# Altium PCB SunS_fixture_EGSE.PcbDoc (part 1 of 2)
Units mm, origin at the board's own origin, x right, y up, seen from the top; angles counter-clockwise.
Board outline 100.04 x 100.03 mm, 2 copper layers (Component Side, Bottom Layer), stack 1.57 mm thick; 120 components, 154 nets, 571 pads, 310 vias.
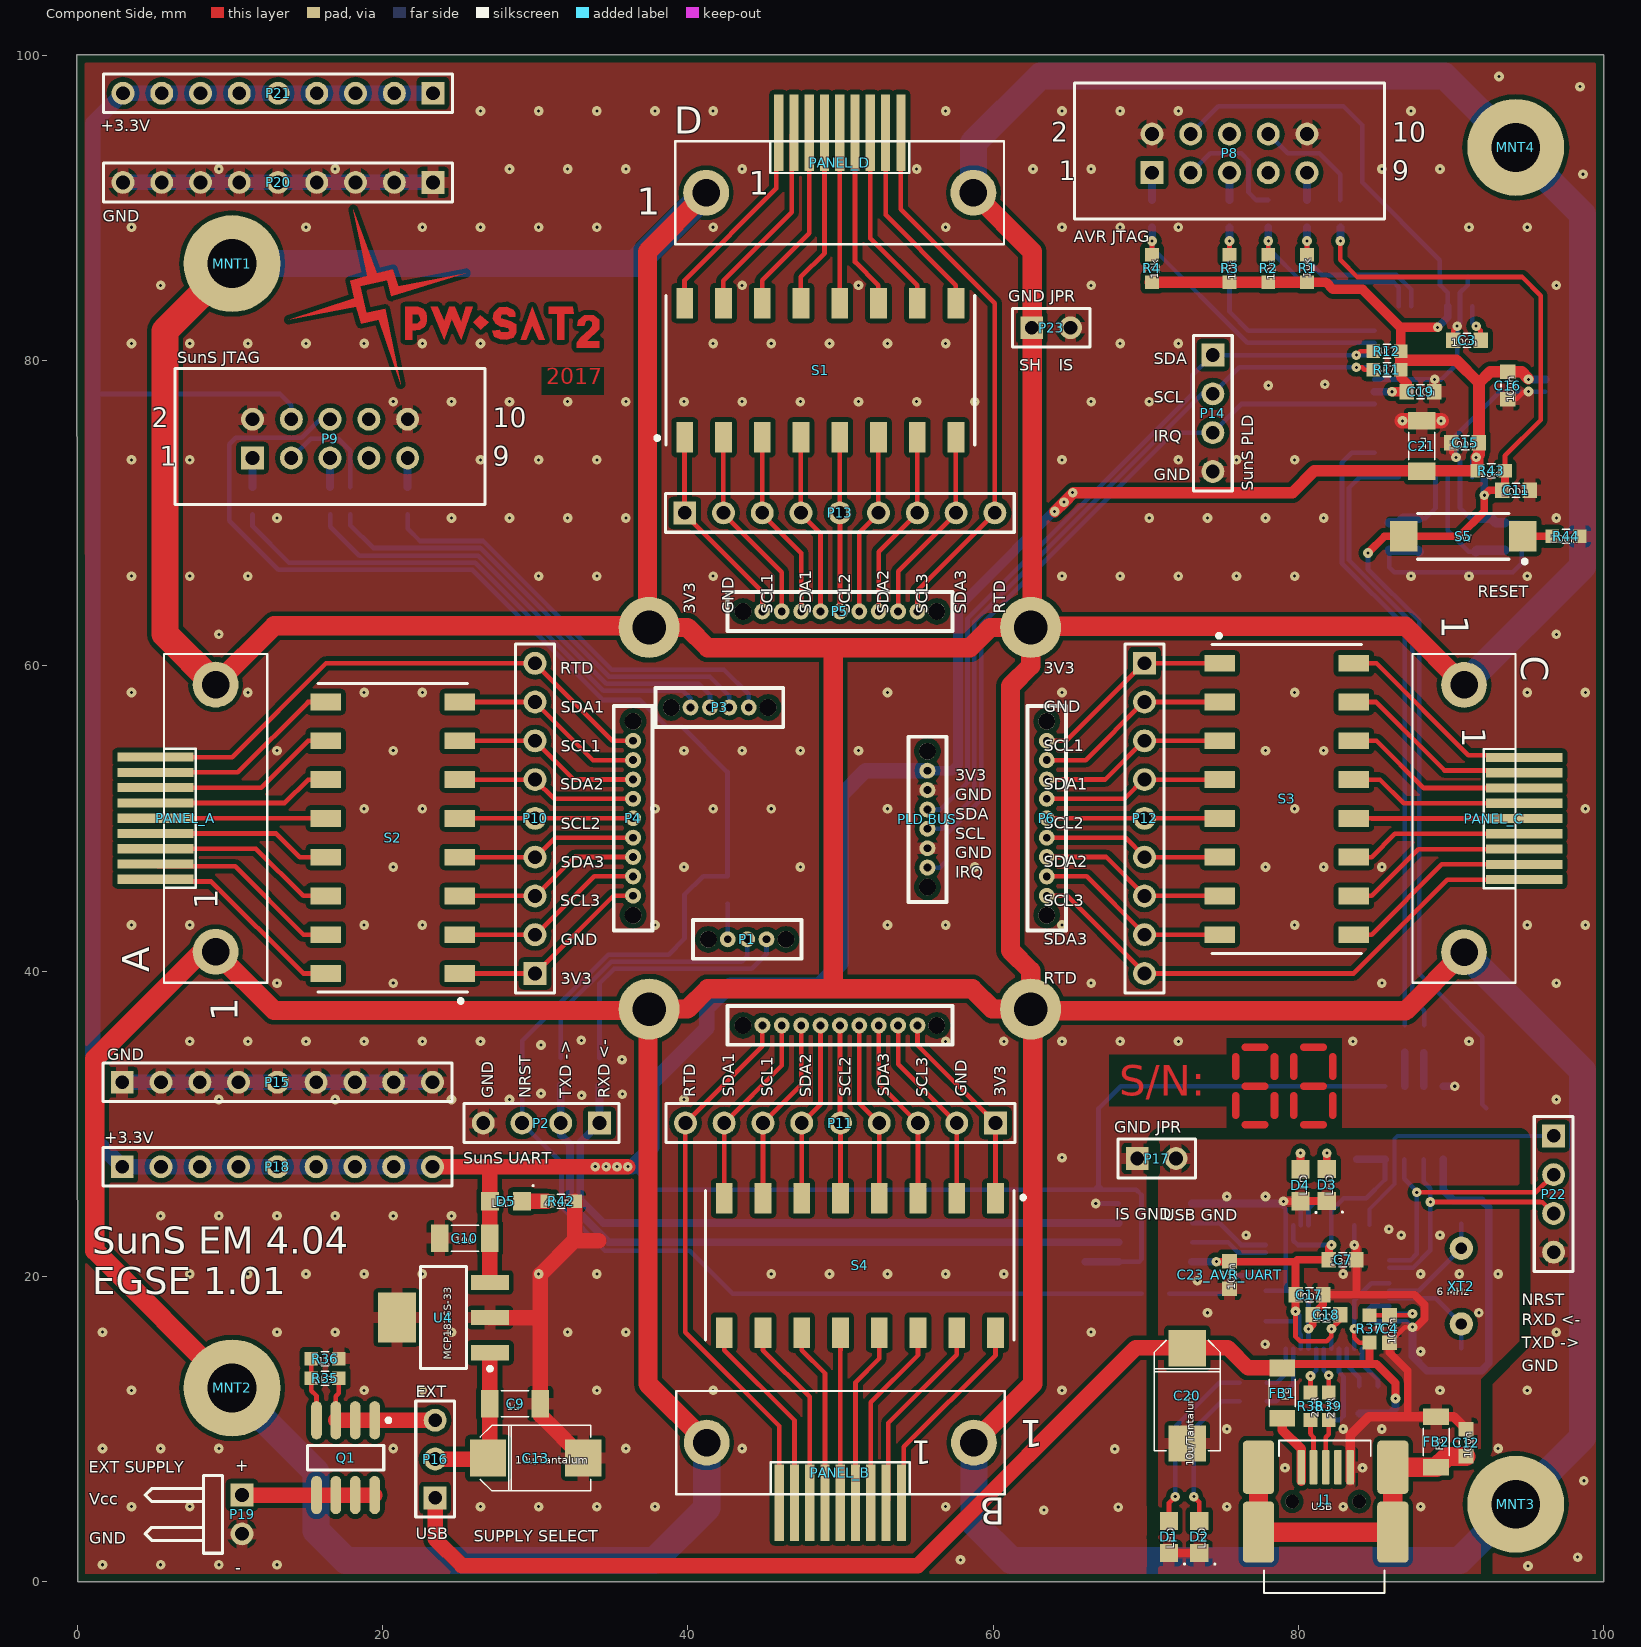
[diagram p0: Component Side view]
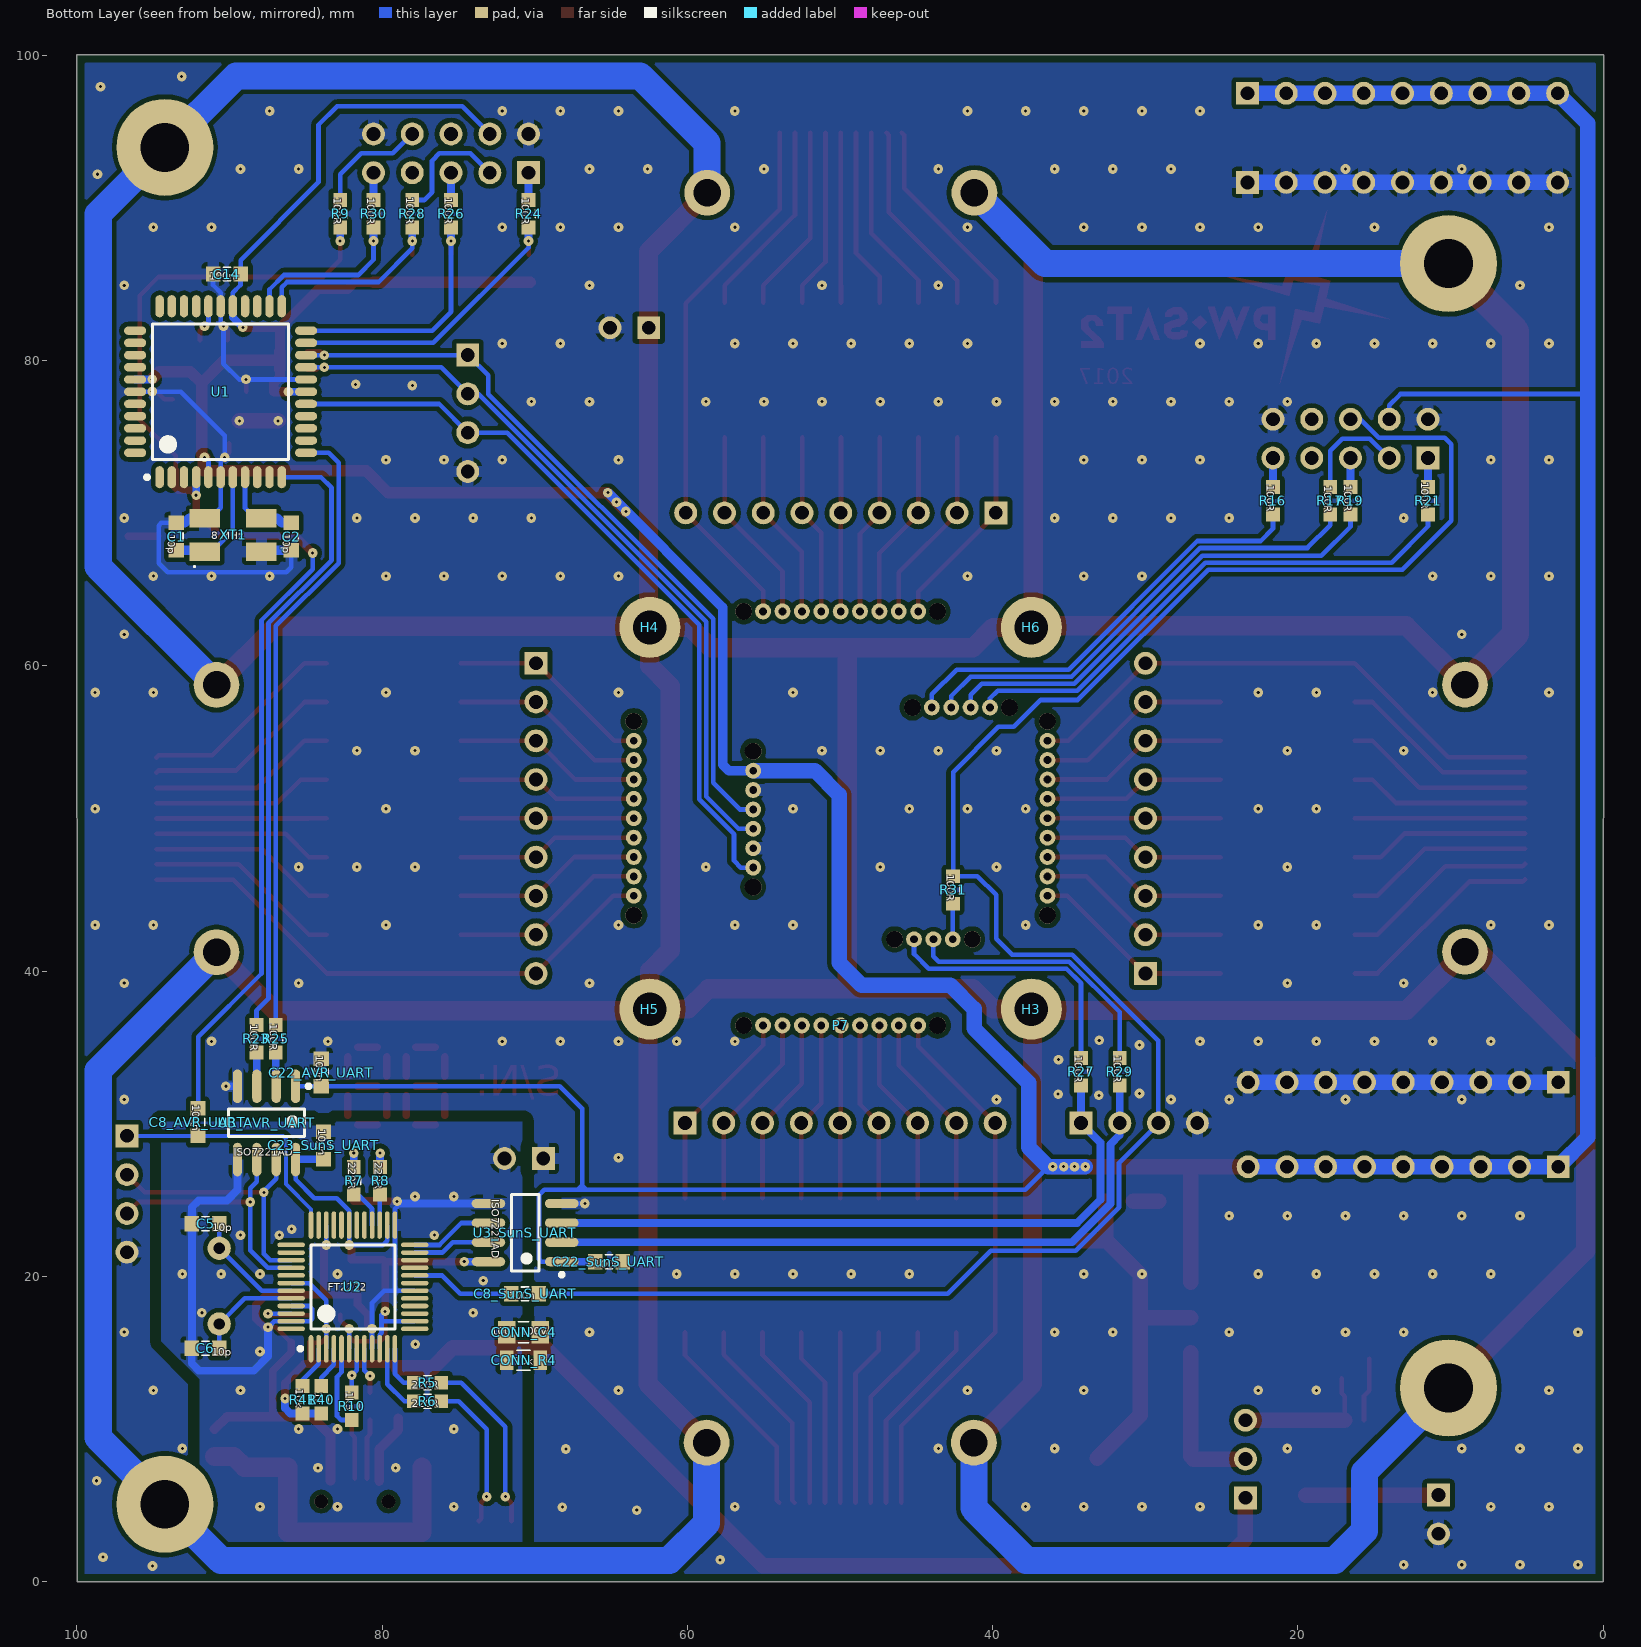
[diagram p1: Bottom Layer view, seen from below]

## Layer stack, top to bottom
Top Solder: solder mask 0.0102, Solder Resist, Dk 3.5
Component Side: signal copper 0.0356
Dielectric 1: core 1.4986, FR-4, Dk 4.2
Bottom Layer: signal copper 0.0356
Solder Side: solder mask 0.0102, Solder Resist, Dk 3.5

## Board outline
-0.032,100.025 100.007,100.025 99.995,0 0.013,0

## Design rules (kind name [scope] priority, off if disabled: settings)
BoardOutlineClearance [All] p1: gap=0.5 ignorepadtopadclearanceinfootprint=FALSE
Clearance PolygonGNDClearance [InNet('GND-IS') vs InNet('GND-USB')] p1: gap=0.762 ignorepadtopadclearanceinfootprint=FALSE except(0: Arc-Hole Track-Hole SMDPad-Hole THPad-Hole Via-Hole Fill-Hole Poly-Hole Region-Hole Text-Hole)
Clearance PolygonClearance [All vs InPolygon] p2: gap=0.305 ignorepadtopadclearanceinfootprint=FALSE except(0: Arc-Hole Track-Hole SMDPad-Hole THPad-Hole Via-Hole Fill-Hole Poly-Hole Region-Hole Text-Hole)
Clearance [All] p3: gap=0.152 ignorepadtopadclearanceinfootprint=FALSE except(0: Arc-Hole Track-Hole SMDPad-Hole THPad-Hole Via-Hole Fill-Hole Poly-Hole Region-Hole Text-Hole)
ComponentClearance [All] p1: gap=0 collisioncheckmode=3 verticalgap=0 showdistances=FALSE
DiffPairsRouting [All] p1: maxlimit=0.254 minlimit=0.254 mostfreqgap=0.254 toplayer_minwidth=0.152 toplayer_maxwidth=0.381 toplayer_prefwidth=0.381 bottomlayer_minwidth=0.152 bottomlayer_maxwidth=0.381 bottomlayer_prefwidth=0.381 maxuncoupledlength=12.7
HoleSize [All] p1: absolutevalues=TRUE maxlimit=5.08 minlimit=0.025 maxpercent=80.000 minpercent=20.000
PolygonConnect PolygonConnect_Via [All vs IsVia] p1: connectstyle=Direct reliefconductorwidth=0.762 reliefentries=4 polygonreliefangle="90 Angle" airgapwidth=0.254
PolygonConnect [All] p2: connectstyle=Relief reliefconductorwidth=0.762 reliefentries=4 polygonreliefangle="90 Angle" airgapwidth=0.254
RoutingVias [All] p1: holewidth=0.279 width=0.711 viastyle="Through Hole" minholewidth=0.229 minwidth=0.635 maxholewidth=0.33 maxwidth=0.737
SolderMaskExpansion [All] p1: expansion=0.102
Width [All] p1: maxlimit=2.54 minlimit=0.203 preferedwidth=0.254 minimp=50.000000 maximp=50.000000 favimp=50.000000
27 further rules are at their usual default settings.

## Classes and differential pairs
component class LDO: C9 C10 C13 U4
component class SunS_fixture_EGSE_Connectors: C12 FB2 H3 H4 H5 H6 J1 MNT1 MNT2 MNT3 MNT4 P1 P2 P3 P4 P5 P6 P7 P8 P9 P10 P11 P12 P13 P14 P15 P18 P19 P20 P21 P22 P23 PANEL_A PANEL_B PANEL_C PANEL_D "PLD BUS" R16 R17 R19 R21 R27 R29 R31 R? S1 S2 S3 S4
component class "SunS EGSE Top": CONN_C4 CONN_R4 D5 P16 P17 R42
component class FTDI: C4 C5 C6 C7 C17 C18 C20 D1 D2 D3 D4 FB1 R5 R6 R7 R8 R10 R37 R38 R39 R40 R41 U2 XT2
component class "External Supply": Q1 R35 R36
component class AVR: C1 C2 C3 C11 C14 C15 C16 C19 C21 R1 R2 R3 R4 R9 R11 R12 R23 R24 R25 R26 R28 R30 R43 R44 S5 U1 XT1
component class AVR_UART: C8_AVR_UART C22_AVR_UART C23_AVR_UART U3_AVR_UART
component class SunS_UART: C8_SunS_UART C22_SunS_UART C23_SunS_UART U3_SunS_UART
channel class SunS_fixture_EGSE_UART_Isolation: AVR_UART SunS_UART
differential pair USB: +USB_P -USB_N
differential pair USB2: +USB2_P -USB2_N

## Components (designator, comment, footprint, x,y, rotation, side; value= is the part's Value field where it differs from the comment)
C1 "Cap" SMD_Capacitor_0603 93.5,68.458 r90 bottom value=10p
C2 "Cap" SMD_Capacitor_0603 85.957,68.458 r270 bottom value=10p
C3 "Cap" SMD_Capacitor_0603 91.037,81.322 r180 top value=100n
C4 "Cap" SMD_Capacitor_0603 85.965,16.554 r270 top value=100n
C5 "Cap" SMD_Capacitor_0603 91.567,23.444 r0 bottom value=10p
C6 "Cap" SMD_Capacitor_0603 91.578,15.291 r0 bottom value=10p
C7 "Cap" SMD_Capacitor_0603 82.906,21.082 r0 top value=33n
C8_AVR_UART "Cap" SMD_Capacitor_0603 92.075,30.099 r270 bottom value=100n (schematic designator C8)
C8_SunS_UART "Cap" SMD_Capacitor_0603 70.637,18.847 r0 bottom value=100n (schematic designator C8)
C9 "1u/25V" SMD_Capacitor_1206 28.685,11.645 r0 top
C10 "10u/25V" SMD_Capacitor_1206 25.385,22.504 r180 top
C11 "Cap" SMD_Capacitor_0603 94.259,71.501 r0 top value=100n
C12 "Cap" SMD_Capacitor_0603 90.983,9.093 r90 top value=100n
C13 "10u/25V" Tantalum_cap_D 30.031,8.089 r0 top
C14 "Cap" SMD_Capacitor_0603 90.173,85.665 r0 bottom value=100n
C15 "Cap" SMD_Capacitor_0603 90.932,74.616 r180 top value=100n
C16 "Cap" SMD_Capacitor_0603 93.726,78.359 r270 top value=100n
C17 "Cap" SMD_Capacitor_0603 80.721,18.796 r0 top value=100n
C18 "Cap" SMD_Capacitor_0603 81.839,17.475 r180 top value=100n
C19 "Cap" SMD_Capacitor_0603 88.011,77.953 r0 top value=100n
C20 "10u/25V" Tantalum_cap_D 72.72,12.167 r270 top
C21 "Cap" SMD_Capacitor_1206 88.087,74.397 r90 top value=1u
C22_AVR_UART "Cap" SMD_Capacitor_0603 83.998,33.35 r90 bottom value=100n (schematic designator C22)
C22_SunS_UART "Cap" SMD_Capacitor_0603 65.151,20.955 r180 bottom value=100n (schematic designator C22)
C23_AVR_UART "Cap" SMD_Capacitor_0603 75.489,20.091 r270 top value=100n (schematic designator C23)
C23_SunS_UART "Cap" SMD_Capacitor_0603 83.845,28.575 r90 bottom value=100n (schematic designator C23)
CONN_C4 "10n/100V" SMD_Capacitor_0805 70.739,16.333 r0 bottom
CONN_R4 "10k" SMD_Resistor_0805 70.739,14.503 r0 bottom
D1 "LEDX" "LED 0805 RED" 71.526,2.921 r270 top
D2 "LEDX" "LED 0805 RED" 73.508,2.921 r270 top
D3 "LEDX" "LED 0805 RED" 81.864,25.984 r270 top
D4 "LEDX" "LED 0805 RED" 80.137,25.959 r270 top
D5 "LEDX" "LED 0805 RED" 28.085,24.917 r0 top
FB1 "120R/100MHz" SMD_FerriteBead_1206 78.943,12.344 r270 top
FB2 "120R/100MHz" SMD_FerriteBead_1206 89.027,9.144 r90 top
H3 "Mounting Hole" SunS_PcbMntHole_M2 37.464,37.508 r180 bottom
H4 "Mounting Hole" SunS_PcbMntHole_M2 62.464,62.508 r180 bottom
H5 "Mounting Hole" SunS_PcbMntHole_M2 62.464,37.508 r180 bottom
H6 "Mounting Hole" SunS_PcbMntHole_M2 37.464,62.508 r180 bottom
J1 "USB_Mini-B" USB_Mini-B_Molex_SMT 86.741,-0.762 r90 top
MNT1 "Mounting Hole" PC-104_PcbMntHole_M3#1 4.237,95.441 r0 top
MNT2 "Mounting Hole" PC-104_PcbMntHole_M3#2 10.143,12.683 r0 top
MNT3 "Mounting Hole" PC-104_PcbMntHole_M3#3 83.801,4.909 r0 top
MNT4 "Mounting Hole" PC-104_PcbMntHole_M3#4 95.473,95.543 r0 top
P1 "UART SunS" "Mill-Max 854-22-003-10-001101" 46.426,42.076 r180 top locked
P2 "UART SunS" "HEADER 1x4 MALE" 34.214,30.036 r180 top
P3 "JTAG SunS" "Mill-Max 854-22-004-10-001101" 38.908,57.265 r0 top locked
P4 "Mill-Max 854-22-009-10-001101" "Mill-Max 854-22-009-10-001101"#1 36.414,43.658 r90 top locked
P5 "Mill-Max 854-22-009-10-001101" "Mill-Max 854-22-009-10-001101"#1 43.614,63.558 r0 top locked
P6 "Mill-Max 854-22-009-10-001101" "Mill-Max 854-22-009-10-001101"#1 63.514,56.358 r270 top locked
P7 "Mill-Max 854-22-009-10-001101" "Mill-Max 854-22-009-10-001101"#2 43.614,36.437 r0 bottom locked
P8 "JTAG AVR" IDC-10-Male-Socket 70.409,92.304 r0 top
P9 "JTAG SunS" IDC-10-Male-Socket 11.481,73.609 r0 top
P10 "Header 9" "HEADER 1x9 MALE" 29.992,39.84 r90 top
P11 "Header 9" "HEADER 1x9 MALE" 60.16,30.036 r180 top locked
P12 "Header 9" "HEADER 1x9 MALE" 69.921,60.16 r270 top
P13 "Header 9" "HEADER 1x9 MALE" 39.796,70.016 r0 top locked
P14 "PLD BUS" "HEADER 1x4 MALE" 74.397,80.353 r270 top
P15 "GND" "HEADER 1x9 MALE" 2.946,32.715 r0 top
P16 "Header 3" "HEADER 1X3 MALE" 23.444,5.485 r90 top
P17 "Header 2" "HEADER 1X2 Male" 69.444,27.711 r0 top
P18 "+3.3V-IS" "HEADER 1x9 MALE" 2.946,27.178 r0 top
P19 "Vin-EXT" "HEADER 1X2H Male" 10.795,5.664 r270 top
P20 "GND" "HEADER 1x9 MALE" 23.309,91.668 r180 top
P21 "+3.3V-IS" "HEADER 1x9 MALE" 23.309,97.51 r180 top
P22 "UART AVR" "HEADER 1x4 MALE" 96.723,29.199 r270 top
P23 "Header 2" "HEADER 1X2 Male" 62.535,82.144 r0 top
PANEL_A "fixture_ALS_9_pad_1mm_pitch" fixture_ALS_9_pad_1mm_pitch 6.726,46.012 r90 top
PANEL_B "fixture_ALS_9_pad_1mm_pitch" fixture_ALS_9_pad_1mm_pitch 53.988,6.77 r180 top locked
PANEL_C "fixture_ALS_9_pad_1mm_pitch" fixture_ALS_9_pad_1mm_pitch 93.187,53.988 r270 top locked
PANEL_D "fixture_ALS_9_pad_1mm_pitch" fixture_ALS_9_pad_1mm_pitch 45.956,93.32 r0 top locked
"PLD BUS" "Mill-Max 854-22-006-10-001101" "Mill-Max 854-22-006-10-001101" 55.697,54.395 r270 top
Q1 "Si4403BDY" SOIC-8_M 17.577,8.115 r270 top
R1 "10k" SMD_Resistor_0603 80.569,86.03 r90 top
R2 "10k" SMD_Resistor_0603 78.029,86.03 r270 top
R3 "10k" SMD_Resistor_0603 75.489,86.03 r270 top
R4 "10k" SMD_Resistor_0603 70.409,86.03 r90 top
R5 "220R" SMD_Resistor_0603 77.038,13.03 r180 bottom
R6 "220R" SMD_Resistor_0603 77.038,11.811 r180 bottom
R7 "220R" SMD_Resistor_0603 81.864,26.264 r90 bottom
R8 "220R" SMD_Resistor_0603 80.137,26.264 r90 bottom
R9 "100R" SMD_Resistor_0603 82.753,89.611 r270 bottom
R10 "1.5k" SMD_Resistor_0603 81.991,11.481 r270 bottom
R11 "4.7k" SMD_Resistor_0603 85.801,79.4 r180 top
R12 "4.7k" SMD_Resistor_0603 85.801,80.607 r180 top
R16 "100R" SMD_Resistor_0603 21.641,70.815 r270 bottom
R17 "100R" SMD_Resistor_0603 17.882,70.815 r270 bottom
R19 "100R" SMD_Resistor_0603 16.561,70.815 r270 bottom
R21 "100R" SMD_Resistor_0603 11.481,70.815 r270 bottom
R23 "100R" SMD_Resistor_0603 88.24,35.56 r90 bottom
R24 "100R" SMD_Resistor_0603 70.409,89.611 r270 bottom
R25 "100R" SMD_Resistor_0603 86.97,35.56 r90 bottom
R26 "100R" SMD_Resistor_0603 75.489,89.611 r270 bottom
R27 "100R" SMD_Resistor_0603 34.214,33.401 r90 bottom
R28 "100R" SMD_Resistor_0603 78.029,89.611 r270 bottom
R29 "100R" SMD_Resistor_0603 31.674,33.401 r90 bottom
R30 "100R" SMD_Resistor_0603 80.569,89.611 r270 bottom
R31 "100R" SMD_Resistor_0603 42.596,45.314 r270 bottom
R35 "3.3k" SMD_Resistor_0603 16.231,13.322 r180 top
R36 "1k" SMD_Resistor_0603 16.231,14.605 r0 top
R37 "470R" SMD_Resistor_0603 84.665,16.554 r270 top
R38 "27R" SMD_Resistor_0603 80.797,11.481 r270 top
R39 "27R" SMD_Resistor_0603 81.991,11.481 r270 top
R40 "1k" SMD_Resistor_0603 83.998,11.913 r90 bottom
R41 "10k" SMD_Resistor_0603 85.217,11.913 r90 bottom
R42 "470R" SMD_Resistor_0603 31.699,24.917 r180 top
R43 "10k" SMD_Resistor_0603 92.634,72.771 r0 top
R44 "100R" SMD_Resistor_0603 97.536,68.478 r0 top
S1 "MCEPM-08" MCEPM-08 41.066,79.363 r90 top locked
S2 "MCEPM-08" MCEPM-08 20.67,41.11 r180 top locked
S3 "MCEPM-08" MCEPM-08 79.243,58.89 r0 top locked
S4 "MCEPM-08" MCEPM-08 58.89,20.715 r270 top locked
S5 "Tact Switch" "Tact Switch 3x6" 90.805,68.478 r180 top
U1 "ATMEGA164PV-10AQ" TQFP-44 90.579,77.944 r90 bottom
U2 "FT2232D" LQFP-48_N 81.915,19.304 r90 bottom
U3_AVR_UART "ISO7221AD" D0008A_N 87.579,30.048 r270 bottom (schematic designator U3)
U3_SunS_UART "ISO7221AD" D0008A_N 70.637,22.86 r0 bottom (schematic designator U3)
U4 "MCP1826S-3302E/DB" SOT-223-DB3_M 23.985,17.297 r180 top
XT1 "8 MHz" "SMD, 5mm x 3.2mm" 89.767,68.571 r180 bottom
XT2 "6.00MHz" HC49U 90.678,19.355 r90 top

## Footprints (in the part's own frame and the unit in brackets; to place one, negate y for a bottom-side part, rotate by r counter-clockwise, add the part's x,y. Pads: shape width x height; smd on the part's side, far side on the other; paste and mask are expansions set on the pad)
D0008A_N [mm] "SOIC, 8-Leads, Body 5x4mm, Pitch 1.27mm, IPC Medium Density"
  oval 2.2x0.6 smd: 1(-2.4,1.905) 2(-2.4,0.635) 3(-2.4,-0.635) 4(-2.4,-1.905) 5(2.4,-1.905) 6(2.4,-0.635) 7(2.4,0.635) 8(2.4,1.905)
  silkscreen extent -2.52,-2.5 0.9,2.88, body extent -2,-2.5 2,2.5, height 1.75
fixture_ALS_9_pad_1mm_pitch [mm] "ALS Panel Fixture Connection"
  round 3 hole 1.8: 0(-4.757,-2.334) 0(12.753,-2.334)
  rect 0.6x5 smd: 1(0,1.602) 2(1,1.602) 3(2,1.602) 4(3,1.602) 5(4,1.602) 6(5,1.602) 7(6,1.602) 8(7,1.602) 9(8,1.602)
  silkscreen extent -6.78,-5.72 14.76,1.04, body extent -6.78,-5.72 14.73,4.1, height 2.27
HC49U [mm]
  round 1.524 hole 0.75: 1(-2.48,0) 2(2.48,0)
  body extent -5.66,-2.34 5.51,2.34, height 13.49
"HEADER 1X2 Male" [mm] "Connector; Header; 2 Position; Straight; Male"
  rect 1.5x1.5 hole 0.9: 1(0,0)
  round 1.5 hole 0.9: 2(2.54,0)
  silkscreen extent -1.27,-1.27 3.81,1.27, body extent -1.17,-1.25 3.91,1.25, height 8.2
"HEADER 1X2H Male" [mm] "Connector; Header; 2 Position; Right Angle; Male"
  rect 1.5x1.5 hole 0.9: 1(0,0)
  round 1.5 hole 0.9: 2(2.54,0)
  silkscreen extent -1.27,-6.35 3.81,-1.27, body extent -1.17,-10.76 3.71,0.38, height 2.75
"HEADER 1X3 MALE" [mm] "Connector; Header; 3 Position, Male"
  rect 1.5x1.5 hole 0.9: 1(0,0)
  round 1.5 hole 0.9: 2(2.54,0) 3(5.08,0)
  silkscreen extent -1.27,-1.27 6.35,1.27, body extent -1.17,-1.25 6.45,1.25, height 8.2
"HEADER 1x4 MALE" [mm] "Connector; Header; 4 Position; Male"
  rect 1.5x1.5 hole 0.9: 1(0,0)
  round 1.5 hole 0.9: 2(2.54,0) 3(5.08,0) 4(7.62,0)
  silkscreen extent -1.27,-1.27 8.89,1.27, body extent -1.17,-1.25 8.99,1.25, height 8.2
"HEADER 1x9 MALE" [mm] "Connector; Header; 9 Position; Male"
  rect 1.5x1.5 hole 0.9: 1(0,0)
  round 1.5 hole 0.9: 2(2.54,0) 3(5.08,0) 4(7.62,0) 5(10.16,0) 6(12.7,0) 7(15.24,0) 8(17.78,0) 9(20.32,0)
  silkscreen extent -1.27,-1.27 21.59,1.27, body extent -1.17,-1.25 21.69,1.25, height 8.2
IDC-10-Male-Socket [mm] "IDC Connector; 10 pin, 2.54 mm pitch"
  rect 1.5x1.5 hole 0.9: 1(0,0)
  round 1.5 hole 0.9: 2(0,2.54) 3(2.54,0) 4(2.54,2.54) 5(5.08,0) 6(5.08,2.54) 7(7.62,0) 8(7.62,2.54) 9(10.16,0) 10(10.16,2.54)
  silkscreen extent -5.08,-3.05 15.24,5.87, body extent -5.07,-2.98 15.23,5.87, height 9.13
"LED 0805 RED" [mm] "SODFL, 2-Leads, Body 1,25x2,00mm, IPC Medium Density"
  rect 1.2x1.2 smd: 1(-1.05,0) 2(1.05,0)
  silkscreen extent 1.73,0.97 1.83,1.07, body extent -1.01,-0.62 1.01,0.63, height 1.1
LQFP-48_N [mm] "Thin QFP, 48-Leads, Body 7x7mm, Pitch 0.5mm, IPC Medium Density"
  oval 1.8x0.3 smd: 1(-4.05,2.75) 2(-4.05,2.25) 3(-4.05,1.75) 4(-4.05,1.25) 5(-4.05,0.75) 6(-4.05,0.25) 7(-4.05,-0.25) 8(-4.05,-0.75) 9(-4.05,-1.25) 10(-4.05,-1.75) 11(-4.05,-2.25) 12(-4.05,-2.75) 25(4.05,-2.75) 26(4.05,-2.25) 27(4.05,-1.75) 28(4.05,-1.25) 29(4.05,-0.75) 30(4.05,-0.25) 31(4.05,0.25) 32(4.05,0.75) 33(4.05,1.25) 34(4.05,1.75) 35(4.05,2.25) 36(4.05,2.75)
  oval 0.3x1.8 smd: 13(-2.75,-4.05) 14(-2.25,-4.05) 15(-1.75,-4.05) 16(-1.25,-4.05) 17(-0.75,-4.05) 18(-0.25,-4.05) 19(0.25,-4.05) 20(0.75,-4.05) 21(1.25,-4.05) 22(1.75,-4.05) 23(2.25,-4.05) 24(2.75,-4.05) 37(2.75,4.05) 38(2.25,4.05) 39(1.75,4.05) 40(1.25,4.05) 41(0.75,4.05) 42(0.25,4.05) 43(-0.25,4.05) 44(-0.75,4.05) 45(-1.25,4.05) 46(-1.75,4.05) 47(-2.25,4.05) 48(-2.75,4.05)
  silkscreen extent -4.17,-2.75 2.75,3.58, body extent -3.5,-3.5 3.5,3.5, height 1.6
MCEPM-08 [mm] "MULTICOMP  MCEPM-08  DIP / SIP Switch, 8 Circuits, SPST, SMD, MCEP Series, 24 VDC"
  rect 2x1.1 smd: 1(-4.4,1.27) 2(4.4,1.27) 3(-4.4,-1.27) 4(4.4,-1.27) 5(-4.4,-3.81) 6(4.4,-3.81) 7(-4.4,-6.35) 8(4.4,-6.35) 9(-4.4,-8.89) 10(4.4,-8.89) 11(-4.4,-11.43) 12(4.4,-11.43) 13(-4.4,-13.97) 14(4.4,-13.97) 15(-4.4,-16.51) 16(4.4,-16.51)
  silkscreen extent -4.9,-17.73 4.9,3.2, body extent -5.14,-18.65 5.14,3.45, height 6.05
"Mill-Max 854-22-003-10-001101" [mil] "SPRING-LOADED CONNECTORS, 854-22-003-10-001101, 1.27 mm pitch, 1x3pin, THT."